# Altium PCB PCB1.PcbDoc
Units mm, origin at the board's own origin, x right, y up, seen from the top; angles counter-clockwise.
Board outline 34.77 x 71.03 mm, 4 copper layers (Top Layer, Layer 1, Layer 2, Bottom Layer), stack 0.603 mm thick; 53 components, 36 nets, 210 pads, 132 vias.
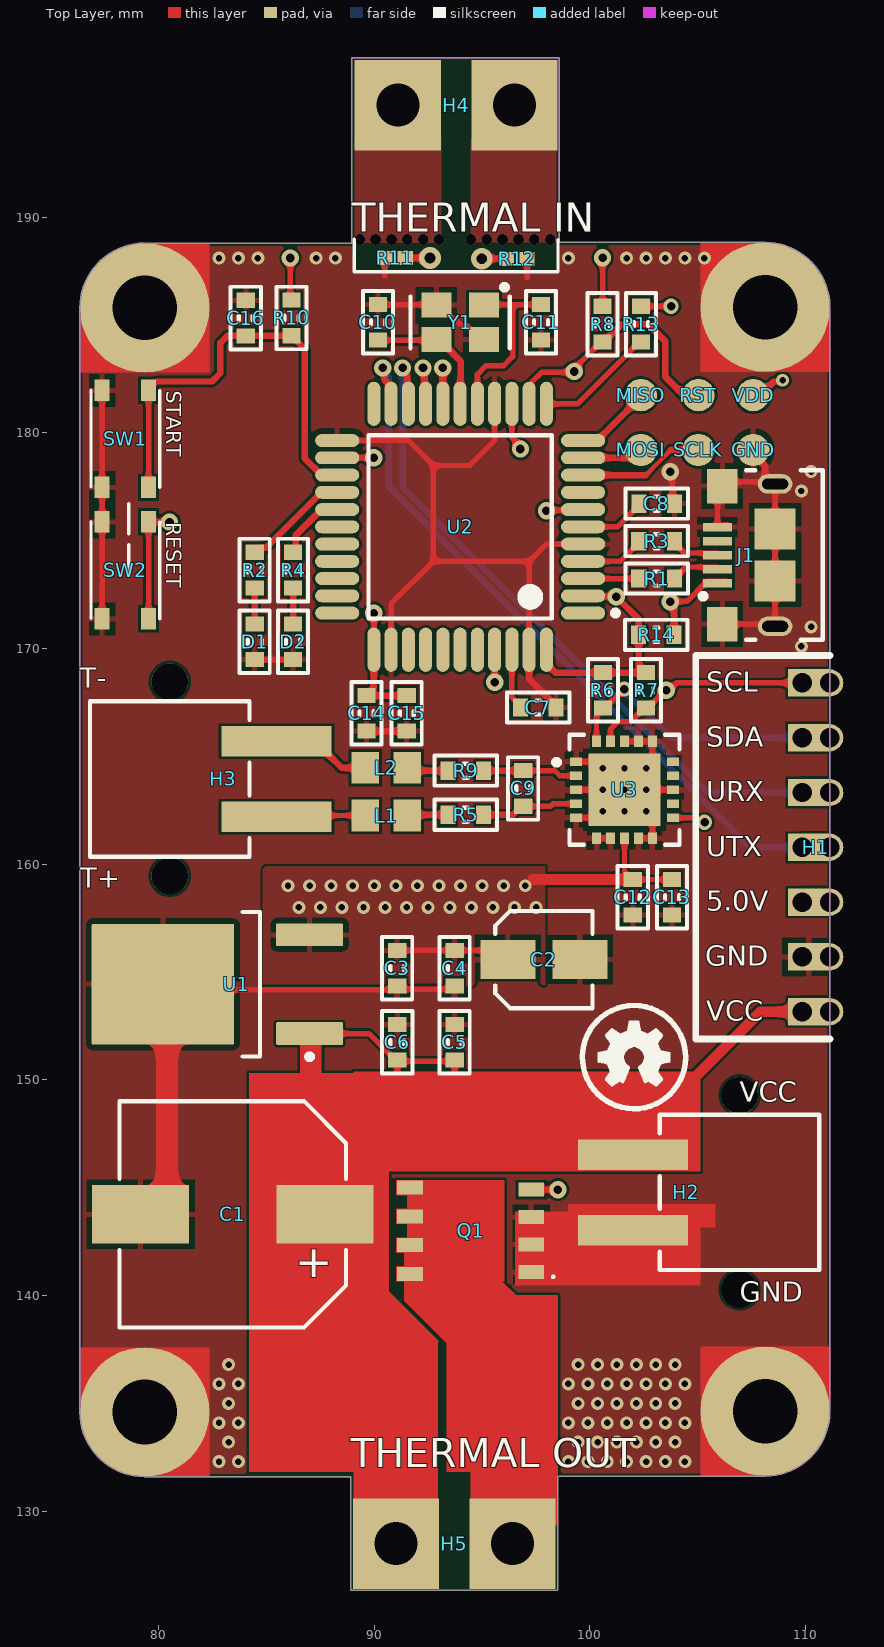
[diagram p0: Top Layer view]
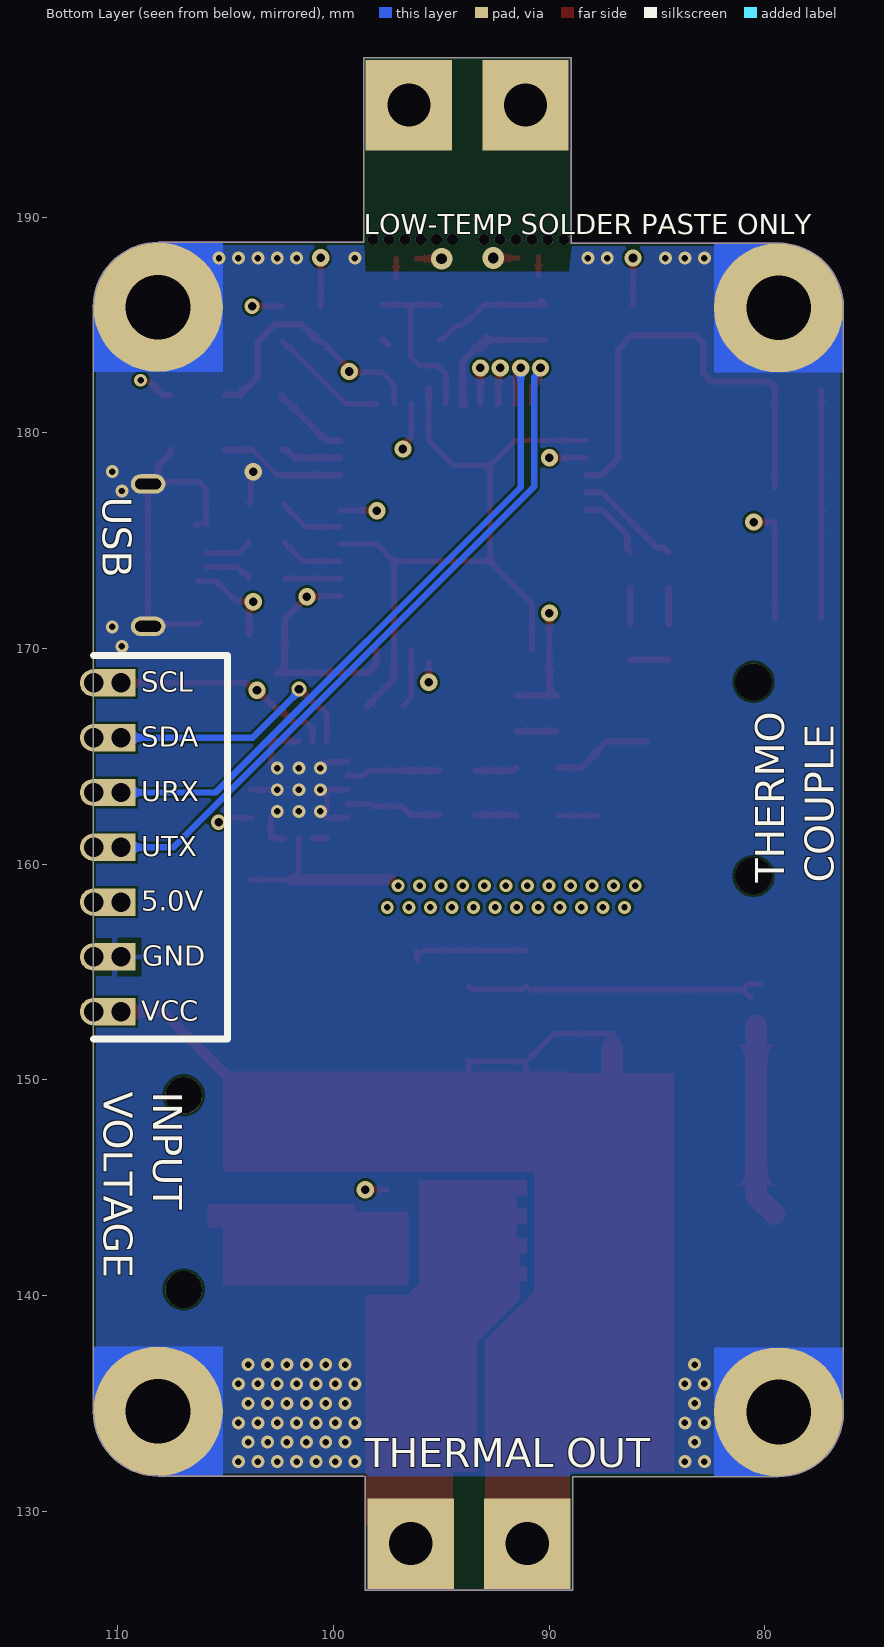
[diagram p1: Bottom Layer view, seen from below]
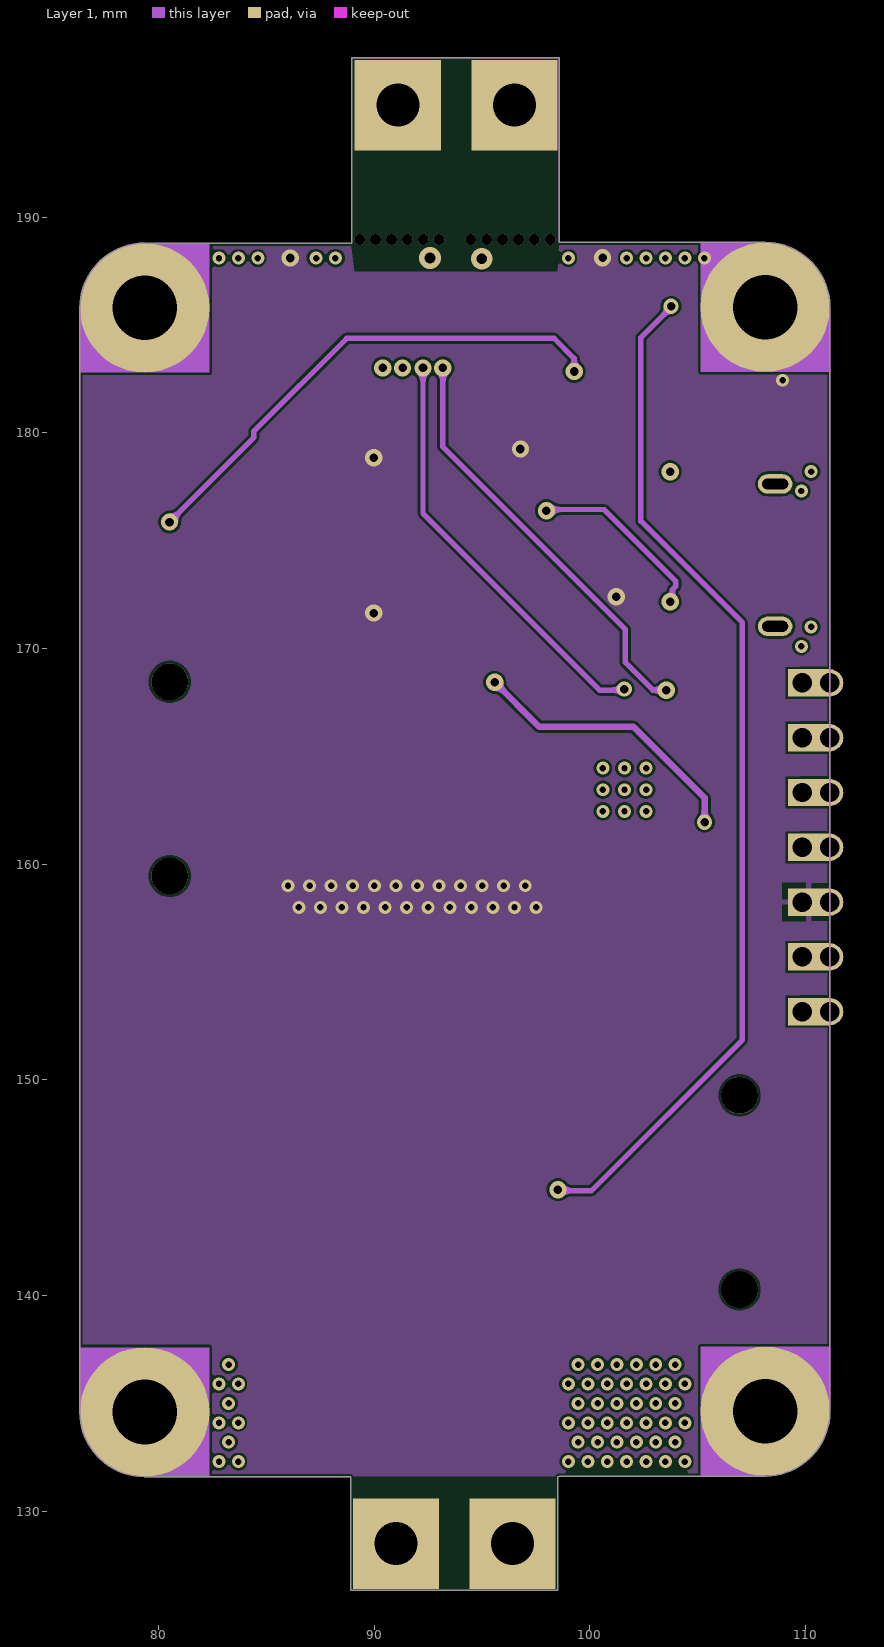
[diagram p2: Layer 1]
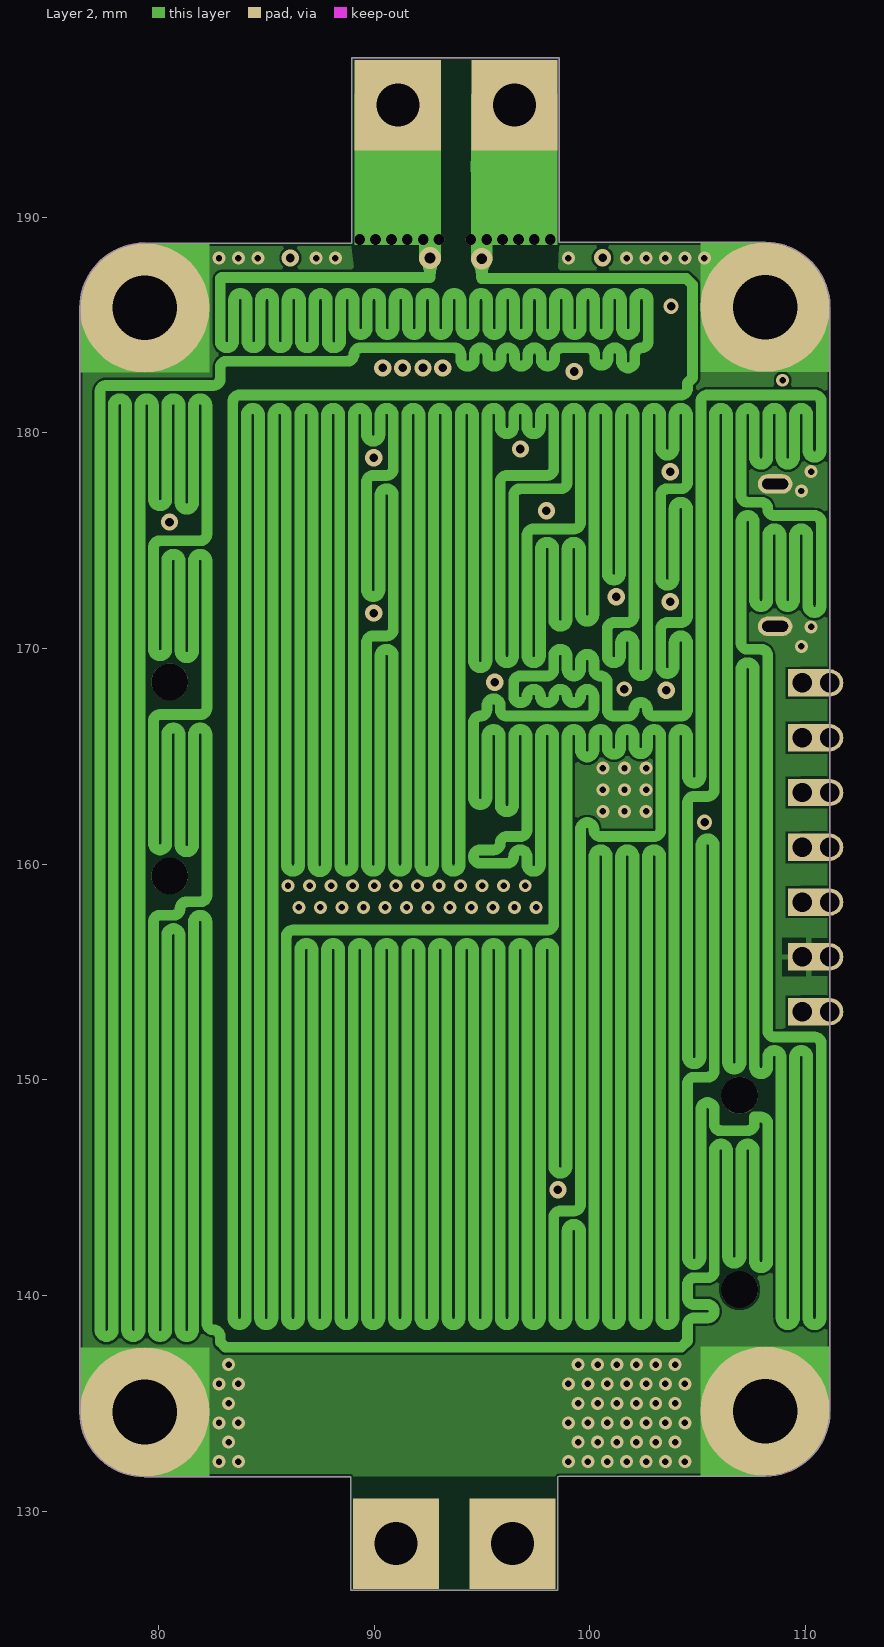
[diagram p3: Layer 2]

## Layer stack, top to bottom
Top Solder: solder mask 0.0102, Solder Resist, Dk 3.5
Top Layer: signal copper 0.0356
Dielectric 2: prepreg 0.0711, PP-006, Dk 4.1
Layer 1: signal copper 0.035
Dielectric 1: dielectric 0.32, FR-4, Dk 4.8
Layer 2: signal copper 0.035
Dielectric 3: prepreg 0.0711, PP-006, Dk 4.1
Bottom Layer: signal copper 0.0356
Bottom Solder: solder mask 0.0102, Solder Resist, Dk 3.5

## Board outline
88.9,126.345 88.9,131.601 79.353,131.601 79.354,131.6 cw(c79.354,134.6) 76.354,134.6 76.353,185.791 76.353,185.79 cw(c79.353,185.79) 79.353,188.79 88.965,188.79 88.965,197.378 98.578,197.378 98.578,188.823 108.125,188.823 cw(c108.125,185.823) 111.125,185.823 111.125,134.633 cw(c108.125,134.633) 108.125,131.633 98.578,131.633 98.514,131.601 98.514,126.345

## Design rules (kind name [scope] priority, off if disabled: settings)
Clearance [All] p1: gap=0.12 ignorepadtopadclearanceinfootprint=FALSE
HoleSize [All] p1: absolutevalues=TRUE maxlimit=5 minlimit=0.025 maxpercent=80.000 minpercent=20.000
PasteMaskExpansion [All] p1: expansion=-0.13
PolygonConnect PolygonConnect_3 [Isvia] p1: connectstyle=Direct reliefconductorwidth=0.254 reliefentries=4 polygonreliefangle="90 Angle" airgapwidth=0.254
PolygonConnect PolygonConnect_1 [IsPadHoleValid] p2: connectstyle=Direct reliefconductorwidth=0.254 reliefentries=4 polygonreliefangle="90 Angle" airgapwidth=0.254
PolygonConnect [All] p3: connectstyle=Relief reliefconductorwidth=0.254 reliefentries=4 polygonreliefangle="90 Angle" airgapwidth=0.254
RoutingVias [All] p1: holewidth=0.711 width=1.27 viastyle="Through Hole" minholewidth=0.2 minwidth=0.5 maxholewidth=0.711 maxwidth=1.27
SolderMaskExpansion [All] p1: expansion=0 istentingtop=FALSE
Width [All] p1: maxlimit=5 minlimit=0.12 preferedwidth=0.3
28 further rules are at their usual default settings.

## Components (designator, comment, footprint, x,y, rotation, side; value= is the part's Value field where it differs from the comment)
C1 "UBC1H470MNS1GS" UBC1H470MNS1GS 83.439,143.764 r180 top
C2 "22uF" CAPAE4343X55M 97.863,155.575 r0 top
C3 "10nF" RESC1608X04N 91.059,155.175 r90 top
C4 "100nF" RESC1608X04N 93.726,155.175 r90 top
C5 "100nF" RESC1608X04N 93.726,151.743 r270 top
C6 "10nF" RESC1608X04N 91.066,151.743 r270 top
C7 "100nF" RESC1608X04N 97.601,167.26 r0 top
C8 "1uF" RESC1608X04N 103.096,176.713 r180 top
C9 "100nF" RESC1608X04N 96.901,163.508 r90 top
C10 "12pF" RESC1608X04N 90.17,185.118 r90 top
C11 "12pF" RESC1608X04N 97.726,185.118 r270 top
C12 "100nF" RESC1608X04N 101.984,158.461 r270 top
C13 "10nF" RESC1608X04N 103.8,158.461 r270 top
C14 "100nF" RESC1608X04N 89.641,166.991 r270 top
C15 "10nF" RESC1608X04N 91.501,166.991 r270 top
C16 "100nF" RESC1608X04N 84.042,185.318 r90 top
D1 "'LTST-C190KFKT" RESC1608X04N 84.455,170.307 r270 top
D2 "'LTST-C190KFKT" RESC1608X04N 86.233,170.307 r270 top
GND "TESTPAD" TESTPAD 107.569,179.204 r90 top
H1 "castellated holes" "castellated holes" 111.112,153.162 r0 top
H2 "691508110302" 691508110302 106.934,144.78 r90 top
H3 "691508110302" 691508110302 80.518,163.949 r270 top
H4 "MOTHER PADS" "MOTHER PADS" 93.98,193.03 r0 top
H5 "MOTHER PADS" "MOTHER PADS" 93.525,130.66 r180 top
J1 "10118193-0001LF" FCI-10118193-0001LF-5_V 107.235,174.328 r90 top
L1 "LI0805H151R-10" LIRD-LI0805H151R-10-2_V 90.551,162.255 r0 top
L2 "LI0805H151R-10" LIRD-LI0805H151R-10-2_V 90.551,164.465 r0 top
MISO "TESTPAD" TESTPAD 102.362,181.744 r90 top
MOSI "TESTPAD" TESTPAD 102.362,179.204 r90 top
Q1 "BSC0906NS" INF-PG-TDSON-8-1_V 94.451,143.002 r90 top
R1 "22" RESC1608X04N 103.088,173.241 r0 top
R2 "150" RESC1608X04N 84.455,173.636 r270 top
R3 "22" RESC1608X04N 103.088,174.976 r0 top
R4 "150" RESC1608X04N 86.233,173.636 r270 top
R5 "100" RESC1608X04N 94.234,162.289 r180 top
R6 "10k" RESC1608X04N 100.6,168.06 r90 top
R7 "10k" RESC1608X04N 102.6,168.06 r90 top
R8 "10k" RESC1608X04N 100.584,185.039 r90 top
R9 "100" RESC1608X04N 94.234,164.333 r180 top
R10 "10k" RESC1608X04N 86.161,185.323 r270 top
R11 "DNP" RESC1005X40X25ML5T10 90.96,188.105 r0 top
R12 "DNP" RESC1005X40X25ML5T10 96.609,188.065 r180 top
R13 "100" RESC1608X04N 102.362,185.039 r90 top
R14 "0" RESC1608X04N 103.08,170.63 r0 top
RST "TESTPAD" TESTPAD 105.029,181.744 r90 top
SCLK "TESTPAD" TESTPAD 105.029,179.204 r90 top
SW1 "PTS815 SJK 250 SMTR LFS" "PTS815 SJK 250 SMTR LFS" 79.756,179.578 r90 top
SW2 "PTS815 SJK 250 SMTR LFS" "PTS815 SJK 250 SMTR LFS" 79.756,173.482 r90 top
U1 "TL750M05CKVURG3" KVU0003A_M 82.75,154.436 r180 top
U2 "ATmega32U4-AU" 44ML_M 93.98,175.641 r180 top
U3 "MCP9600-E/MX" FP-C04-186-MFG 101.6,163.449 r0 top
VDD "TESTPAD" TESTPAD 107.569,181.744 r90 top
Y1 "TSX-3225 16.0000MF09Z-AC0" FP-TSX-3225-MFG 93.98,185.118 r180 top

## Footprints (in the part's own frame and the unit in brackets; to place one, negate y for a bottom-side part, rotate by r counter-clockwise, add the part's x,y. Pads: shape width x height; smd on the part's side, far side on the other; paste and mask are expansions set on the pad)
44ML_M [mm] "Thin QFP, 44-Leads, Body 10x10mm, Pitch 0.8mm, IPC Low Density"
  oval 2.05x0.6 smd: 1(-5.7,4) 2(-5.7,3.2) 3(-5.7,2.4) 4(-5.7,1.6) 5(-5.7,0.8) 6(-5.7,0) 7(-5.7,-0.8) 8(-5.7,-1.6) 9(-5.7,-2.4) 10(-5.7,-3.2) 11(-5.7,-4) 23(5.7,-4) 24(5.7,-3.2) 25(5.7,-2.4) 26(5.7,-1.6) 27(5.7,-0.8) 28(5.7,0) 29(5.7,0.8) 30(5.7,1.6) 31(5.7,2.4) 32(5.7,3.2) 33(5.7,4)
  oval 0.6x2.05 smd: 12(-4,-5.7) 13(-3.2,-5.7) 14(-2.4,-5.7) 15(-1.6,-5.7) 16(-0.8,-5.7) 17(0,-5.7) 18(0.8,-5.7) 19(1.6,-5.7) 20(2.4,-5.7) 21(3.2,-5.7) 22(4,-5.7) 34(4,5.7) 35(3.2,5.7) 36(2.4,5.7) 37(1.6,5.7) 38(0.8,5.7) 39(0,5.7) 40(-0.8,5.7) 41(-1.6,5.7) 42(-2.4,5.7) 43(-3.2,5.7) 44(-4,5.7)
  silkscreen extent -7.32,-4.25 4.25,4.25, body extent -5,-5 5,5, height 1.2
691508110302 [mm] "WR-TBL Terminal block - serie 5081 3,50mm - SMT - Horizontal entry with rising clamp - 02p"
  rect 1.4x5.1 smd: 1(-1.75,4.95) 2(1.75,4.95)
  round 1.7 hole 1.7 unplated: M1(-4.5,0) M2(4.5,0)
  silkscreen extent -3.6,-3.7 3.6,3.7, body extent -5.18,-3.7 5.17,7.2, height 11.25
CAPAE4343X55M [mm] "Aluminum Electrolytic Capacitor, Body 4.30x4.30x5.50mm, IPC Low Density"
  rect 2.55x1.8 smd: 1(-1.675,0) 2(1.675,0)
  silkscreen extent -2.25,-2.25 2.25,2.25, body extent -2.25,-2.25 2.25,2.25, height 5.5
"castellated holes" [mm]
  round 1.27 hole 0.9 mask+0: 1(-1.27,0) 1(0,0) 2(-1.27,2.54) 2(0,2.54) 3(-1.27,5.08) 3(0,5.08) 4(-1.27,7.62) 4(0,7.62) 5(-1.27,10.16) 5(0,10.16) 6(-1.27,12.7) 6(0,12.7) 7(-1.27,15.24) 7(0,15.24)
  rect 1.905x1.27 all layers, no hole mask+0: 1(-0.99,0) 2(-0.99,2.54) 3(-0.99,5.08) 4(-0.99,7.62) 5(-0.99,10.16) 6(-0.99,12.7) 7(-0.99,15.24)
  silkscreen extent -6.21,-1.27 0.01,16.51
FCI-10118193-0001LF-5_V [mm] "Micro, USB-B, 5-Leads, Body 7.86x5.05mm, Pitch 0.65 mm"
  rect 0.4x1.35 smd: 1(-1.3,1.325) 2(-0.65,1.325) 3(0,1.325) 4(0.65,1.325) 5(1.3,1.325)
  rect 1.6x1.4 smd: 6(-3.2,1.1) 7(3.2,1.1)
  rect 1.9x1.9 smd: 8(-1.2,-1.35) 9(1.2,-1.35)
  oval 0.9x1.6 hole 0.5 slot 1.2 at 90 deg: 10(-3.3,-1.35) 11(3.3,-1.35)
  silkscreen extent -3.93,-3.55 3.93,2.12, body extent -3.93,-4.16 3.93,1.5, height 2.83
FP-C04-186-MFG [mm]
  rect 0.55x0.4 smd paste+0 mask+0: 1(-2.25,1.3) 2(-2.25,0.65) 3(-2.25,0) 4(-2.25,-0.65) 5(-2.25,-1.3) 11(2.25,-1.3) 12(2.25,-0.65) 13(2.25,0) 14(2.25,0.65) 15(2.25,1.3)
  rect 0.4x0.55 smd paste+0 mask+0: 6(-1.3,-2.25) 7(-0.65,-2.25) 8(0,-2.25) 9(0.65,-2.25) 10(1.3,-2.25) 16(1.3,2.25) 17(0.65,2.25) 18(0,2.25) 19(-0.65,2.25) 20(-1.3,2.25)
  rect 3.35x3.35 smd paste+0 mask+0: 21(0,0)
  silkscreen extent -3.27,-2.55 2.55,2.55, body extent -2.65,-2.65 2.65,2.65, height 0.25
FP-TSX-3225-MFG [mm]
  rect 1.4x1.15 smd paste+0 mask+0: 1(-1.1,-0.8) 2(1.1,-0.8) 3(1.1,0.8) 4(-1.1,0.8)
  silkscreen extent -2.3,-1.75 2.3,1.2, body extent -1.9,-1.48 1.9,1.48, height 0.25
INF-PG-TDSON-8-1_V [mm] "TDSON, 8-Leads, Body 6.15x5.15mm, Pitch 1.27mm"
  rect 0.65x1.2 smd: 1(-1.905,-2.825) 2(-0.635,-2.825) 3(0.635,-2.825) 4(1.905,-2.825) 5(2.007,2.794) 6(0.66,2.794) 7(-0.66,2.794) 8(-2.007,2.794)
  Top Layer region: -2.35,2.925 -2.35,-1.575 2.35,-1.575 2.35,2.925
  Top Layer region: -2.35,2.925 -1.65,2.925 -1.65,3.425 -2.35,3.425
  Top Layer region: 1.65,2.925 2.35,2.925 2.35,3.425 1.65,3.425
  Top Layer region: -1.015,2.925 -0.315,2.925 -0.315,3.425 -1.015,3.425
  Top Layer region: 0.315,2.925 1.015,2.925 1.015,3.425 0.315,3.425
  silkscreen extent -2.23,-3.94 -2.03,-3.74, body extent -2.58,-3.08 2.58,3.08, height 1
KVU0003A_M [mm] "DPAK, 3-Leads, Body 6.7x6.22mm, Pitch 2.29mm, IPC Low Density"
  rrect10% 3.1x1.05 smd: 1(-4.25,2.29) 3(-4.25,-2.29)
  rrect2% 6.6x5.6 smd: 4(2.55,0)
  silkscreen extent -4.38,-3.35 -1.15,3.49, body extent -4.63,-3.28 5.07,3.3, height 2.48
LIRD-LI0805H151R-10-2_V [mm] "Chip, 2-Leads, Body 2.2x1.45mm"
  rect 1.285x1.47 smd: 1(-0.972,0) 2(0.972,0)
  body extent -1.1,-0.72 1.1,0.73, height 1.1
"MOTHER PADS" [mm]
  rect 4x4.2 hole 2: 1(-2.887,2.16) 2(2.517,2.16)
"PTS815 SJK 250 SMTR LFS" [mm]
  rect 1x0.7 smd: 1(-2.109,2.373) 1(2.391,2.373) 2(-2.109,0.223) 2(2.391,0.223)
  Top Layer lines w0.254: -2.109,2.373 2.391,2.373 ; -2.109,0.223 2.391,0.223
  silkscreen extent -2.11,-0.3 2.39,2.89, body extent -2.08,-0.3 2.42,2.9, height 2.4
RESC1005X40X25ML5T10 [mm] "Chip Resistor, 2-Leads, Body 1.05x0.55mm, IPC Low Density"
  rect 0.7x0.65 smd: 1(-0.475,0) 2(0.475,0)
  body extent -0.53,-0.28 0.53,0.28, height 0.4
RESC1608X04N [mm] "Chip Resistor, 2-Leads, Body 1.60x0.80mm, IPC Medium Density"
  rect 0.7x0.85 smd: 1(-0.825,0) 2(0.825,0)
  silkscreen extent -1.45,-0.7 1.45,0.7, body extent -0.8,-0.4 0.8,0.4, height 0.4
TESTPAD [mm]
  round 1.5 smd paste-5: 1(0,0)
UBC1H470MNS1GS [mm] "Aluminum Electrolytic Capacitor, Body 10.30x10.30x11.00mm, IPC Low Density"
  rect 4.5x2.7 smd: 1(-4.275,0) 2(4.275,0)
  silkscreen extent -5.25,-5.25 5.25,5.25, body extent -5.25,-5.25 5.25,5.25, height 11

## Part data
C2: library part CAP*
C3 C4 C5 C6 C7 C8 C9 C10 C11 C12 C13 C14 C15 C16: library part CAP
D1 D2: library part LED
H2 H3: library part CMP-1502-02490-1, "Serie 5081 - 3.50 mm Horizontal Entry SMT with Rising Cage Clamp WR-TBL, 2 pin", Manufacturer="Wurth Elektronik", Operating Temperature=-40to130degC, Datasheet URL=http://katalog.we-online.de/em/datasheet/6915081103xx.pdf, Manufacturer URL=http://www.we-online.de, Mounting Technology=SMT, Package Reference=691508110302, Packaging=TapeandReelwithCap, Part Number=691508110302, Pin Number=2, Pitch=3.50mm, Publisher=WurthElektronik
J1: library part CMP-2000-05119-1, "Micro USB B Type Receptacle, -55 to 85 degC, 5-Pin SMD, RoHS, Tape and Reel", Color=Black, Current Rating=1.8A, Flammability Rating=UL94V-0, Insulation Resistance=1000MOhms, Manufacturer=FCI, Operating Temperature Range=-55Cto+85C, Brand=FCI, Connector Type=MicroUSBTypeBreceptacle, Contact Material=CopperAlloy, Contact Plating=Gold, Datasheet URL=http://datasheet.octopart.com/10118193-0001LF-FCI-datasheet-55953155.pdf, Datasheet Version="Rev. C, 05/2015", Factory Pack Quantity=1200, Gender=Female, Manufacturer URL=http://www.fci.com/, Mounting Angle=Right, Number of Contacts=5Contact, Packaging=Reel, Product=MicroUSBTypeBConnectors, Product Category=USBConnectors, RoHS=Details, Standard=USB2.0, Termination Style=SMD/SMT
L1 L2: library part CMP-2000-05195-1, "Chip Beads for Signal Filtering, 0.15 Ohms, -40 to 125 degC, 2-Pin SMD, RoHS, Tape and Reel", Current Rating (Max)=800mA, DC Resistance (DCR) (Max)=150mOhm, Impedance @ Frequency=150Ohm@100MHz, Manufacturer=Laird, Operating Temperature=-40degC~125degC, Package / Case=0805(2012Metric), Package Description="2-Pin Surface Mount Device, Body 2 x 1.25 mm", Package Reference=LI0805H15R-10-2, Package Version="Rev. D, 08/2013", Ratings=-, Standard Package=1, Catalog Drawings=(HI,HZ,LI,MI)0805Series_1.10mmMax.Height, Category=Filters, Datasheet URL=http://cdn.lairdtech.com/home/brandworld/files/LI0805H151R-10.pdf, Datasheet Version="Rev. D, 08/2013", Family=FerriteBeadsandChips, Filter Type=SignalLine, Height (Max)="0.043\"(1.10mm)", Kits=240-2227-ND-KITEMIFERRITEBEADCHIPSMD, Manufacturer URL=https://www.lairdtech.com, Mounting Type=SurfaceMount, Number of Lines=1, Online Catalog=LISeries, Other Names=240-2384-1, Package URL=http://cdn.lairdtech.com/home/brandworld/files/LI0805H151R-10.pdf, Packaging=CutTape(CT), Series=LI, Size / Dimension="0.079\"Lx0.049\"W(2.00mmx1.25mm)"
Q1: library part CMP-1090-00064-1, "N-Channel OptiMOS Power-MOSFET, 30 V VDS, 63 A ID, -55 to 150 degC, PG-TDSON-8-1, Reel, Green", Manufacturer=Infineon, ComponentLink1Description="Manufacturer URL", ComponentLink1URL=http://www.infineon.com/, ComponentLink2Description=Datasheet, ComponentLink2URL=http://www.infineon.com/dgdl/BSC0906NS_Rev+2.pdf?folderId=db3a304313b8b5a60113cee8763b02d7&fileId=db3a30433072cd8f0130986c816b2f8c, ComponentLink3Description="Package Specification", ComponentLink3URL=http://www.infineon.com/cms/packages/SMD_-_Surface_Mounted_Devices/P-PG-TDSON/P-PG-TDSON-08-01x_2x_3.html?__locale=en, DatasheetVersion="Rev. 2.0", Green=TRUE, Halogen-free=TRUE, ID (max)="63Â A", IDpuls (max)="252Â A", Mounting Technology="Surface Mount", PackageDescription="8-Pin Plastic (Green) Thin Dual Small Outline Non-Leaded Package, 5.15 x 5.9 mm Body, 1.27 mm Pitch", PackageReference=PG-TDSON-8-1, Packing=Reel, PartNumber=BSC0906NS, Polarity=N, Ptot (max)="30Â W", QG="6.7Â nC", RDS (on) (max)="4.5Â mOhm", RDS (on) (max) (@4.5V)="6.4Â mOhm", Rth="4.2Â K/W", RthJA (max)="50Â K/W", RthJC (max)="4.2Â K/W", VDS (max)="30Â V", VGS(th) (max)="2Â V", VGS(th) (min)="1.2Â V"
R1 R2 R3 R4 R5 R6 R7 R8 R9 R10 R13 R14: library part RES
R11 R12: library part CMP-2002-07915-2, "'RC0402JR-0710KL", Case Code (Imperial)=0402, Case Code (Metric)=1005, Max Operating Temperature="155 degC", Min Operating Temperature="-55 degC", Package Quantity=10000, Power Rating="63 mW", Resistance="10 kohm", Tolerance=5%, Voltage Rating="50 V", Case\Package=0402, ComponentLink1Description="Manufacturer URL", ComponentLink1URL=http://www.yageo.com/, ComponentLink2Description=Datasheet, ComponentLink2URL=http://www.yageo.com/documents/recent/PYu-RC_Group_51_RoHS_L_04.pdf, DatasheetVersion="Rev. 4, 02/2016", Height="0.35 mm", Length="1 mm", Mount="Surface Mount", Mounting Technology="Surface Mount", PackageDescription="2-Pin Surface Mount Device, Body 1 x 0.5 mm", PackageReference=0402, Packaging="Tape and Reel", Pins=2, REACH SVHC="No SVHC", RoHSCompliant=true, Voltage Rating (DC)="50 V", Width="0.5 mm"
U1: library part CMP-0395-01077-2, "Single Output LDO, 750 mA, Fixed 5 V Output, 6 to 26 V Input, with Low IQ, 3-pin PFM (KVU), 0 to 125 degC, Green (RoHS & no Sb/Br)", Manufacturer="Texas Instruments", Rating=Catalog, Accuracy(%)=2, Code_JEDEC=TO-252, ComponentLink1Description="Manufacturer URL", ComponentLink1URL=http://www.ti.com/, ComponentLink2Description=Datasheet, ComponentLink2URL=http://www.ti.com/general/docs/lit/getliterature.tsp?genericPartNumber=TL750M05&fileType=pdf, ComponentLink3Description="Package Specification", ComponentLink3URL=http://www.ti.com/litv/pdf/mpsf018c, ComponentLink4Description="URL Link1", ComponentLink4URL="Samples URL:http://www.ti.com/product/tl750m05#samples", DatasheetVersion=SLVS021N, Eco-Plan="Green (RoHS & no Sb/Br)", Fixed Output Options(V)=5, Iout(Max)(A)=0.75, Iq(Typ)(mA)=60, Mounting Technology="Surface Mount", PackageDescription="3-Pin Plastic Flange Mount, Body 6.1 x 6.6 mm, Pitch 2.29 mm", PackageReference=KVU0003A, PackageVersion=4205521-2/D, PartNumber=TL750M05CKVURG3, SubFamily="Single Channel LDO", Vdo(Typ)(mV)=600, Vin(Max)(V)=26, Vin(Min)(V)=6, Vout Adj(Max)(V)=5, Vout Adj(Min)(V)=5
U2: library part CMP-0095-00285-2, "8-bit AVR Microcontroller, 2.7-5.5V, 16MHz, 32KB Flash, 1KB EEPROM, 2.5KB SRAM, USB Controller, 44-pin TQFP, Industrial Grade (-40°C to 85°C), Ext Osc", ComponentLink1Description="Manufacturer URL", ComponentLink1URL=http://www.atmel.com/, ComponentLink2Description="ATmega16U4/32U4 Datasheet", ComponentLink2URL=http://www.atmel.com/dyn/resources/prod_documents/doc7766.pdf, ComponentLink3Description="ATmega16U4 ATmega32U4 Summary", ComponentLink3URL=http://www.atmel.com/dyn/resources/prod_documents/7766S.pdf, DatasheetVersion="revF, Nov-2010", PackageDescription="44-Pin Plastic Thin Quad Flat Pack, 10 x 10 x 1.0 mm Body, 0.8 mm Pitch (TQFP)", PackageReference=44ML, PackageVersion="rev.G, Jul-2007", RevisionNote="DatasheetVersion updated. URLs added."
U3: library part CMP-06290-000001-1, "IC THERMOCOUPLE TO I2C 20MQFN", Ambient Temperature Range High=+125°C, Ambient Temperature Range Low=-40°C, Manufacturer=Microchip, Max Junction Temp=+150°C, Max Supply Voltage=5.5V, Min Supply Voltage=2.7V, Nominal Supply Current=0.3-1.5mA, Package=C04-186, Temperature="-40°C to +125°C", Automotive=No, Category=IC, ComponentLink2Description=Datasheet, ComponentLink2URL=http://ww1.microchip.com/downloads/en/DeviceDoc/MCP960X-L0X-RL0X-Data-Sheet-20005426F.pdf, Device Class L1="Integrated Circuits (ICs)", Device Class L2="Interface ICs", Device Class L3="Sensor and Detector Interfaces", Digikey Description="IC THERMOCOUPLE TO I2C 20MQFN", Height=1mm, Interface=I2C,2-Wire, Ipc Land Pattern Name=QFN65P500X500X95-20, Lead Free=Yes, Manufacturer Part Number=MCP9600-E/MX, Octopart=https://octopart.com/mcp9600-e%2Fmx-microchip-71651858, RoHS=TRUE, Sensor Input=Thermocouple, Sensor Output=I2C, Standoff Height=0mm, Temperature Range High=+125°C, Temperature Range Low=-40°C
Y1: library part CMP-36405-000014-1, "CRYSTAL 16.0000MHZ 9PF SMD", Case/Package=SMD/SMT, ESR (Equivalent Series Resistance)=60R, Frequency=16MHz, Frequency Stability=9ppm, Frequency Tolerance=10ppm, Load Capacitance=9pF, Max Operating Temperature=75°C, Min Operating Temperature=-20°C, Package Quantity=1000, Drive Level=200uW, Height=0.024inch, Lead Free="Lead Free", Length=0.126inch, Mount="Surface Mount", Packaging="Tape and Reel", RoHS Compliant=Yes, Series=TSX-3225, Termination=SMD/SMT, Tolerance=10ppm, Weight=0.000564oz, Width=0.098inch

## Free pads (board coordinates)
  round 6 hole 3 mask+0: ""(79.353,185.79) ""(79.354,134.6) ""(108.125,185.823) ""(108.125,134.633)

## Via types
v1: diameter 0.6, hole 0.3, Top Layer to Bottom Layer, tented both sides, 97 vias
v2: diameter 0.8, hole 0.4, Top Layer to Bottom Layer, tented both sides, 18 vias
v3: diameter 0.5, hole 0.5, Top Layer to Bottom Layer, 12 vias
v4: diameter 0.7, hole 0.4, Top Layer to Bottom Layer, tented both sides, 3 vias
v5: diameter 1, hole 0.5, Top Layer to Bottom Layer, tented both sides, 2 vias

## Nets (pads, with @x,y where several pads share a name; then routed paths per layer and width w, separated by ;. In a path a pad name is that pad's centre, name@x,y a point inside that pad or via, vN(x,y) a via of type N, cw(c..) or ccw(c..) an arc to the next point about the centre after c; other vN are vias at no path point)
GND: C1.2 C2.2 C3.1 C4.1 C5.1 C6.1 C7.2 C8.1 C10.2 C11.2 C12.2 C13.2 C14.2 C15.2 C16.2 D1.2 D2.2 GND.1 H1.2 H2.1 J1.5 J1.6 J1.7 J1.8 J1.9 J1.10 J1.11 pad. Q1.1 Q1.2 Q1.3 R11.1 R12.1 SW1.1 SW2.1 U1.4 U2.5 U2.15 U2.23 U2.35 U2.43 U3.1 U3.3 U3.5 U3.6 U3.7 U3.9 U3.10 U3.13 U3.16 U3.17 U3.18 U3.21 Y1.2 Y1.4 | length 100
  Top Layer w0.25: SW2.1@77.383,175.873 SW1.1@77.383,177.469 ; U1.4 80.764,154.436 U1.4@81.024,154.176 ; U1.4@80.645,153.797 U1.4@81.024,154.176 ; U2.23 91.58,179.641 92.736,178.485 ; C10.2@90.379,186.152 C10.2 92.855,185.943 Y1.2 93.005,185.918 93.651,185.272 93.737,185.272 94.045,184.964 94.309,184.964 94.955,184.318 Y1.4 ; 90.485,187.28 R11.1@90.485,188.155 ; U2.35 90.78,172.085 92.736,174.041 ; C4.1 93.576,154.2 91.209,154.2 C3.1 90.885,154.176 U1.4@81.024,154.176 ; U2.15 95.58,179.641 94.424,178.485 92.736,178.485 ; 97.084,187.19 R12.1 ; U2.43 97.18,174.041 ; U3.5 100.3,162.149 v1(100.6,162.449) ; U3.3 v1(100.6,163.449) ; U3.1 100.3,164.749 v1(100.6,164.449) ; U2.5 97.98,174.841 97.18,174.041 ; U3.6 U3.7 ; U3.21@100.3,162.469 U3.21@100.3,163.419 ; U3.18 U3.17 U3.16 102.9,164.749 v1(102.6,164.449) ; U3.9 U3.10 102.9,162.149 v1(102.6,162.449) ; v1(102.6,163.449) U3.13 ; v2(103.717,178.196) 103.819,178.094 103.819,176.815 C8.1 ; J1.5@105.91,175.728 105.91,177.403 106.235,177.728 J1.11@108.397,177.728 ; J1.6@106.135,171.228 106.235,171.128 108.585,171.128 J1.11@108.585,177.728 ; J1.5@106.235,175.728 J1.5@106.377,175.728 ; 92.736,174.041 97.18,174.041 ; 92.736,174.041 92.736,178.485
  Top Layer w0.3: D1.2 D2.2 ; C14.2 C15.2 ; U2.15 U2.15@95.58,182.066 ; U2.43 97.18,168.581 98.426,167.335 C7.2 ; C11.2@97.451,184.093 97.651,184.293 C11.2 ; GND.1 107.569,179.014 108.12,178.463 108.12,178.005 108.397,177.728 J1.11@108.585,177.728
  Top Layer w1: C1.2@79.545,143.764 80.391,144.61 U1.4@80.391,152.527
  other v1: 82.8,132.3 83.7,132.3 99,132.3 99.9,132.3 100.8,132.3 101.7,132.3 102.6,132.3 103.5,132.3 104.4,132.3 83.25,133.2 99.45,133.2 100.35,133.2 101.25,133.2 102.15,133.2 103.05,133.2 103.95,133.2 82.8,134.1 83.7,134.1 99,134.1 99.9,134.1 100.8,134.1 101.7,134.1 102.6,134.1 103.5,134.1 104.4,134.1 83.25,135 99.45,135 100.35,135 101.25,135 102.15,135 103.05,135 103.95,135 82.8,135.9 83.7,135.9 99,135.9 99.9,135.9 100.8,135.9 101.7,135.9 102.6,135.9 103.5,135.9 104.4,135.9 83.25,136.8 99.45,136.8 100.35,136.8 101.25,136.8 102.15,136.8 103.05,136.8 103.95,136.8 101.6,162.449 101.6,163.449 101.6,164.449 109.8,170.1 110.25,171 109.8,177.3 110.25,178.2 82.8,188.1 83.7,188.1 84.6,188.1 87.3,188.1 88.2,188.1 99,188.1 101.7,188.1 102.6,188.1 103.5,188.1 104.4,188.1 105.3,188.1
NetC7_1: C7.1 U2.42 | length 2.8
  Top Layer w0.25: U2.42@96.392,169.928 U2.42 96.38,167.731 C7.1@96.776,167.335